# Altium PCB paste1.PcbDoc (part 1 of 3)
Units mil, origin at the board's own origin, x right, y up, seen from the top; angles counter-clockwise.
Board outline 6785.03 x 6005.03 mil, 2 copper layers (Top Layer, Bottom Layer); 232 components, 0 nets, 1158 pads, 462 vias.
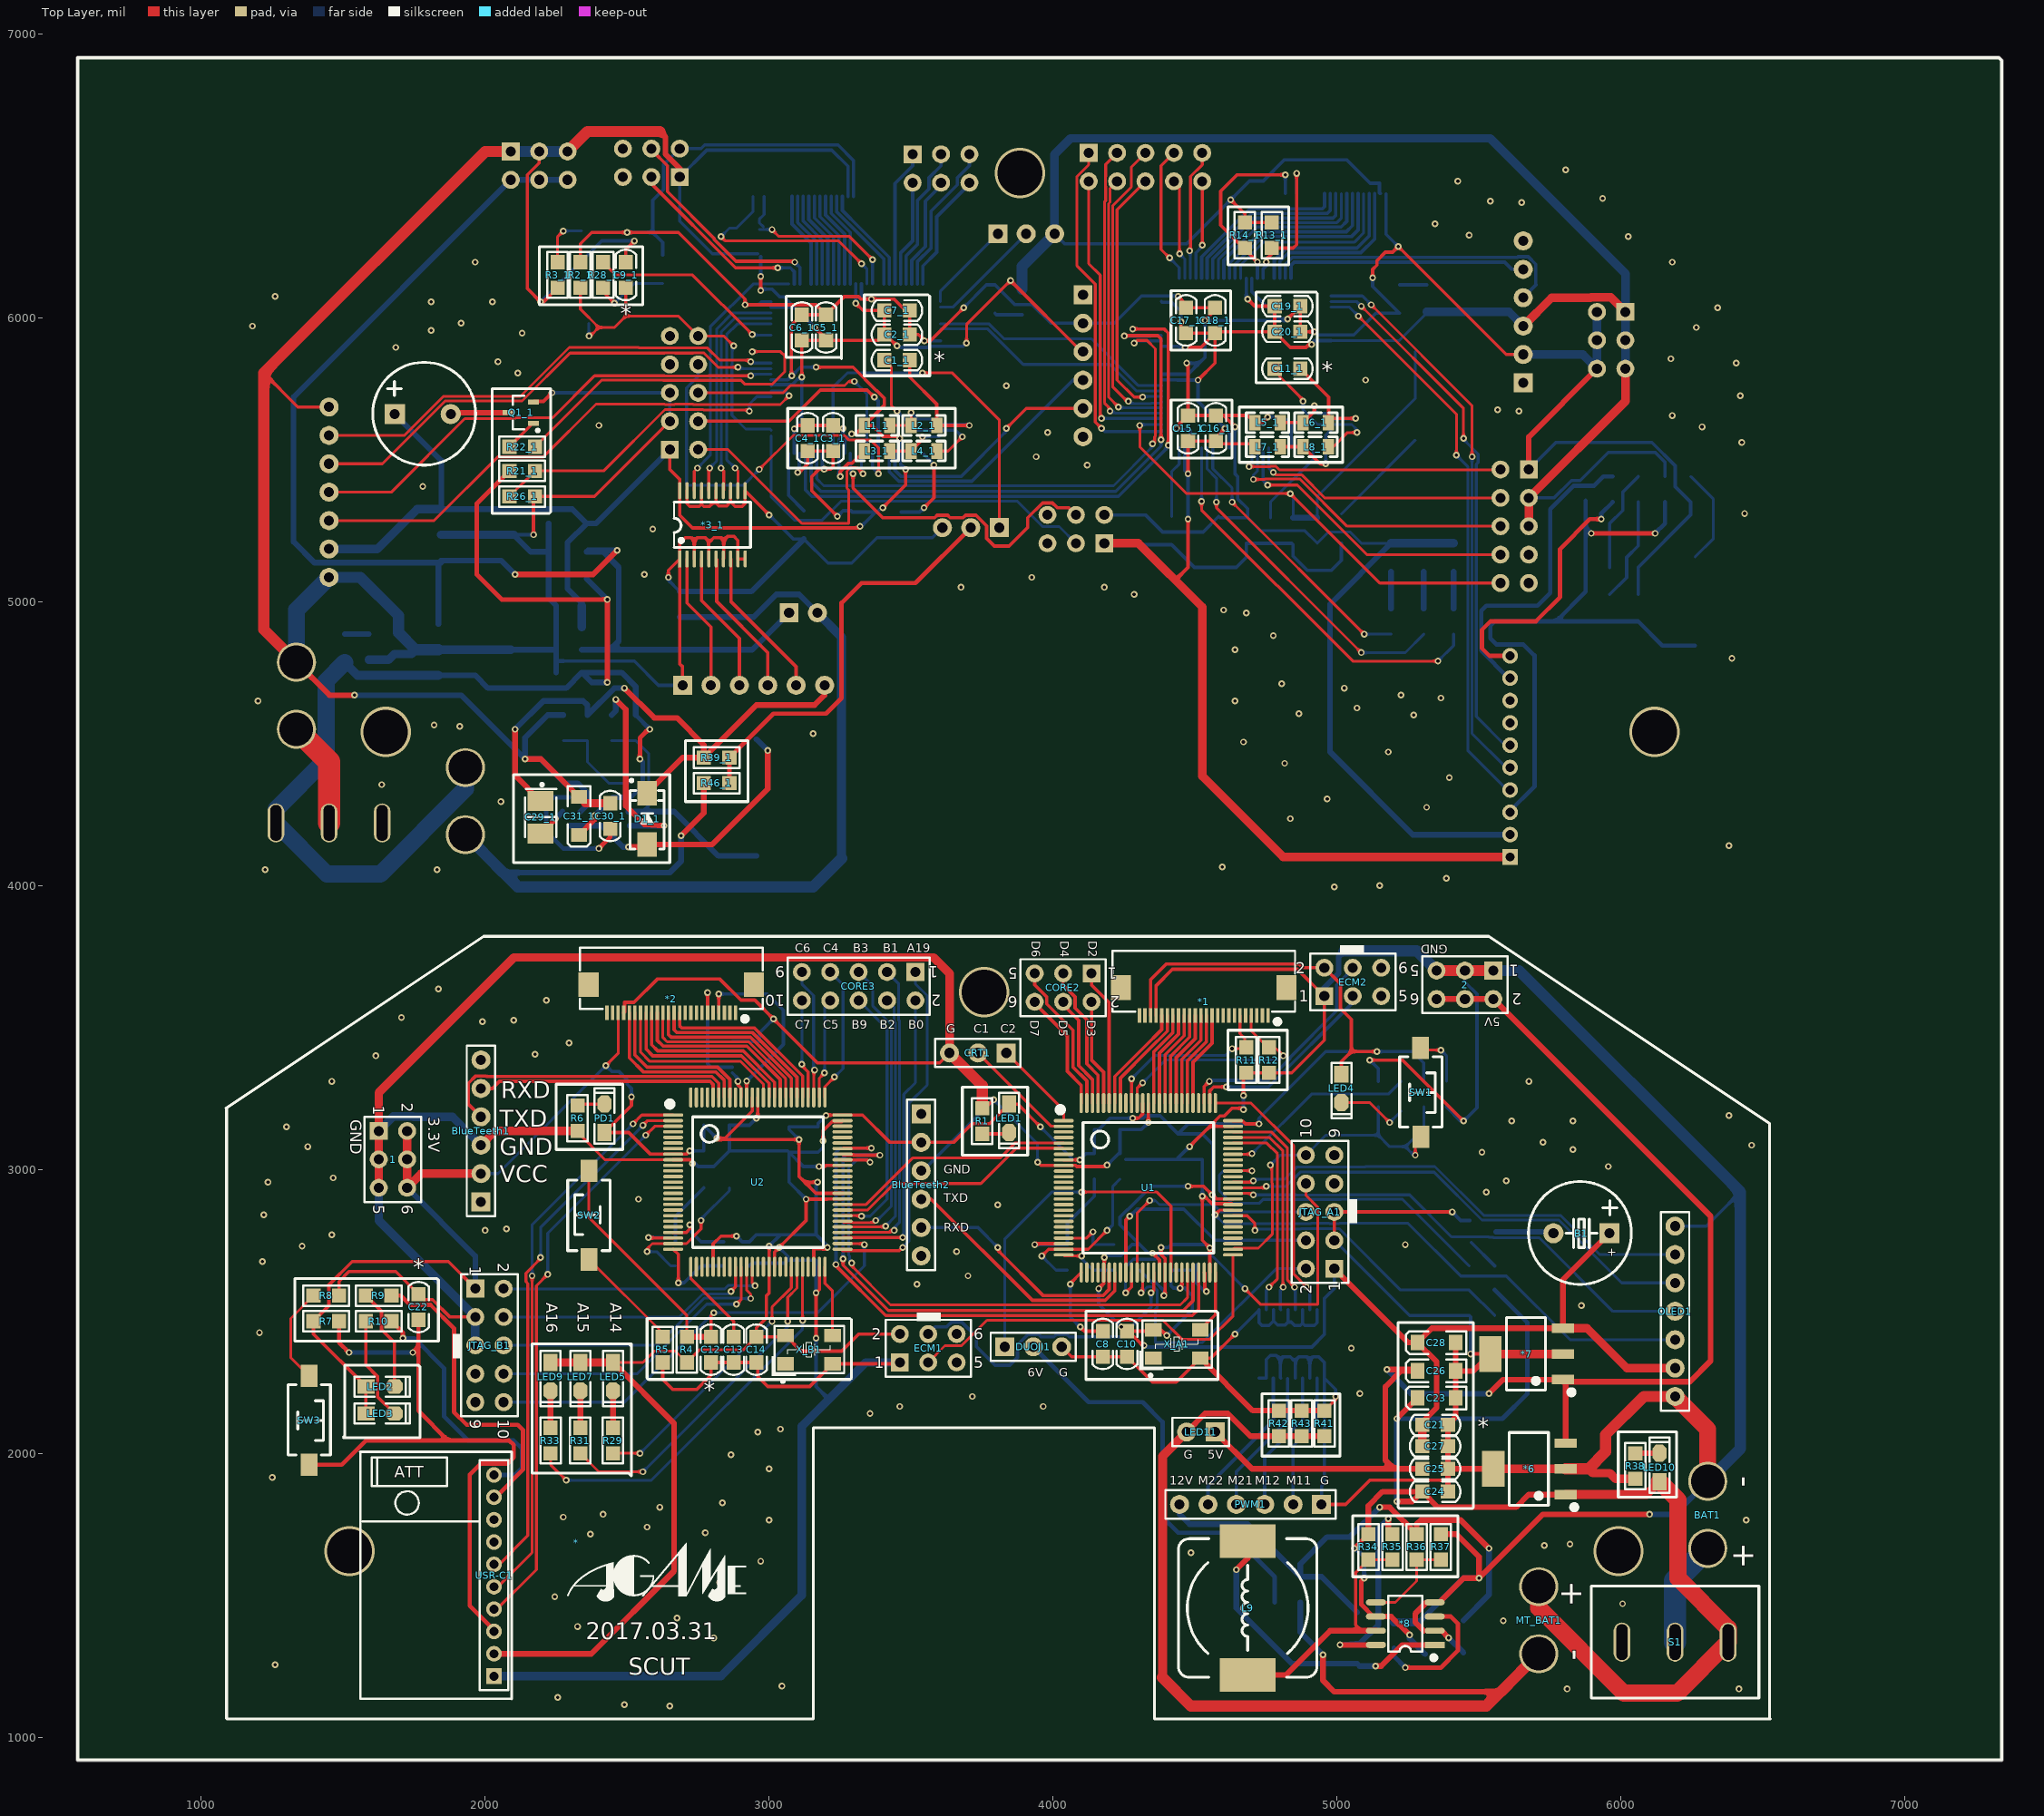
[diagram p0: Top Layer view]
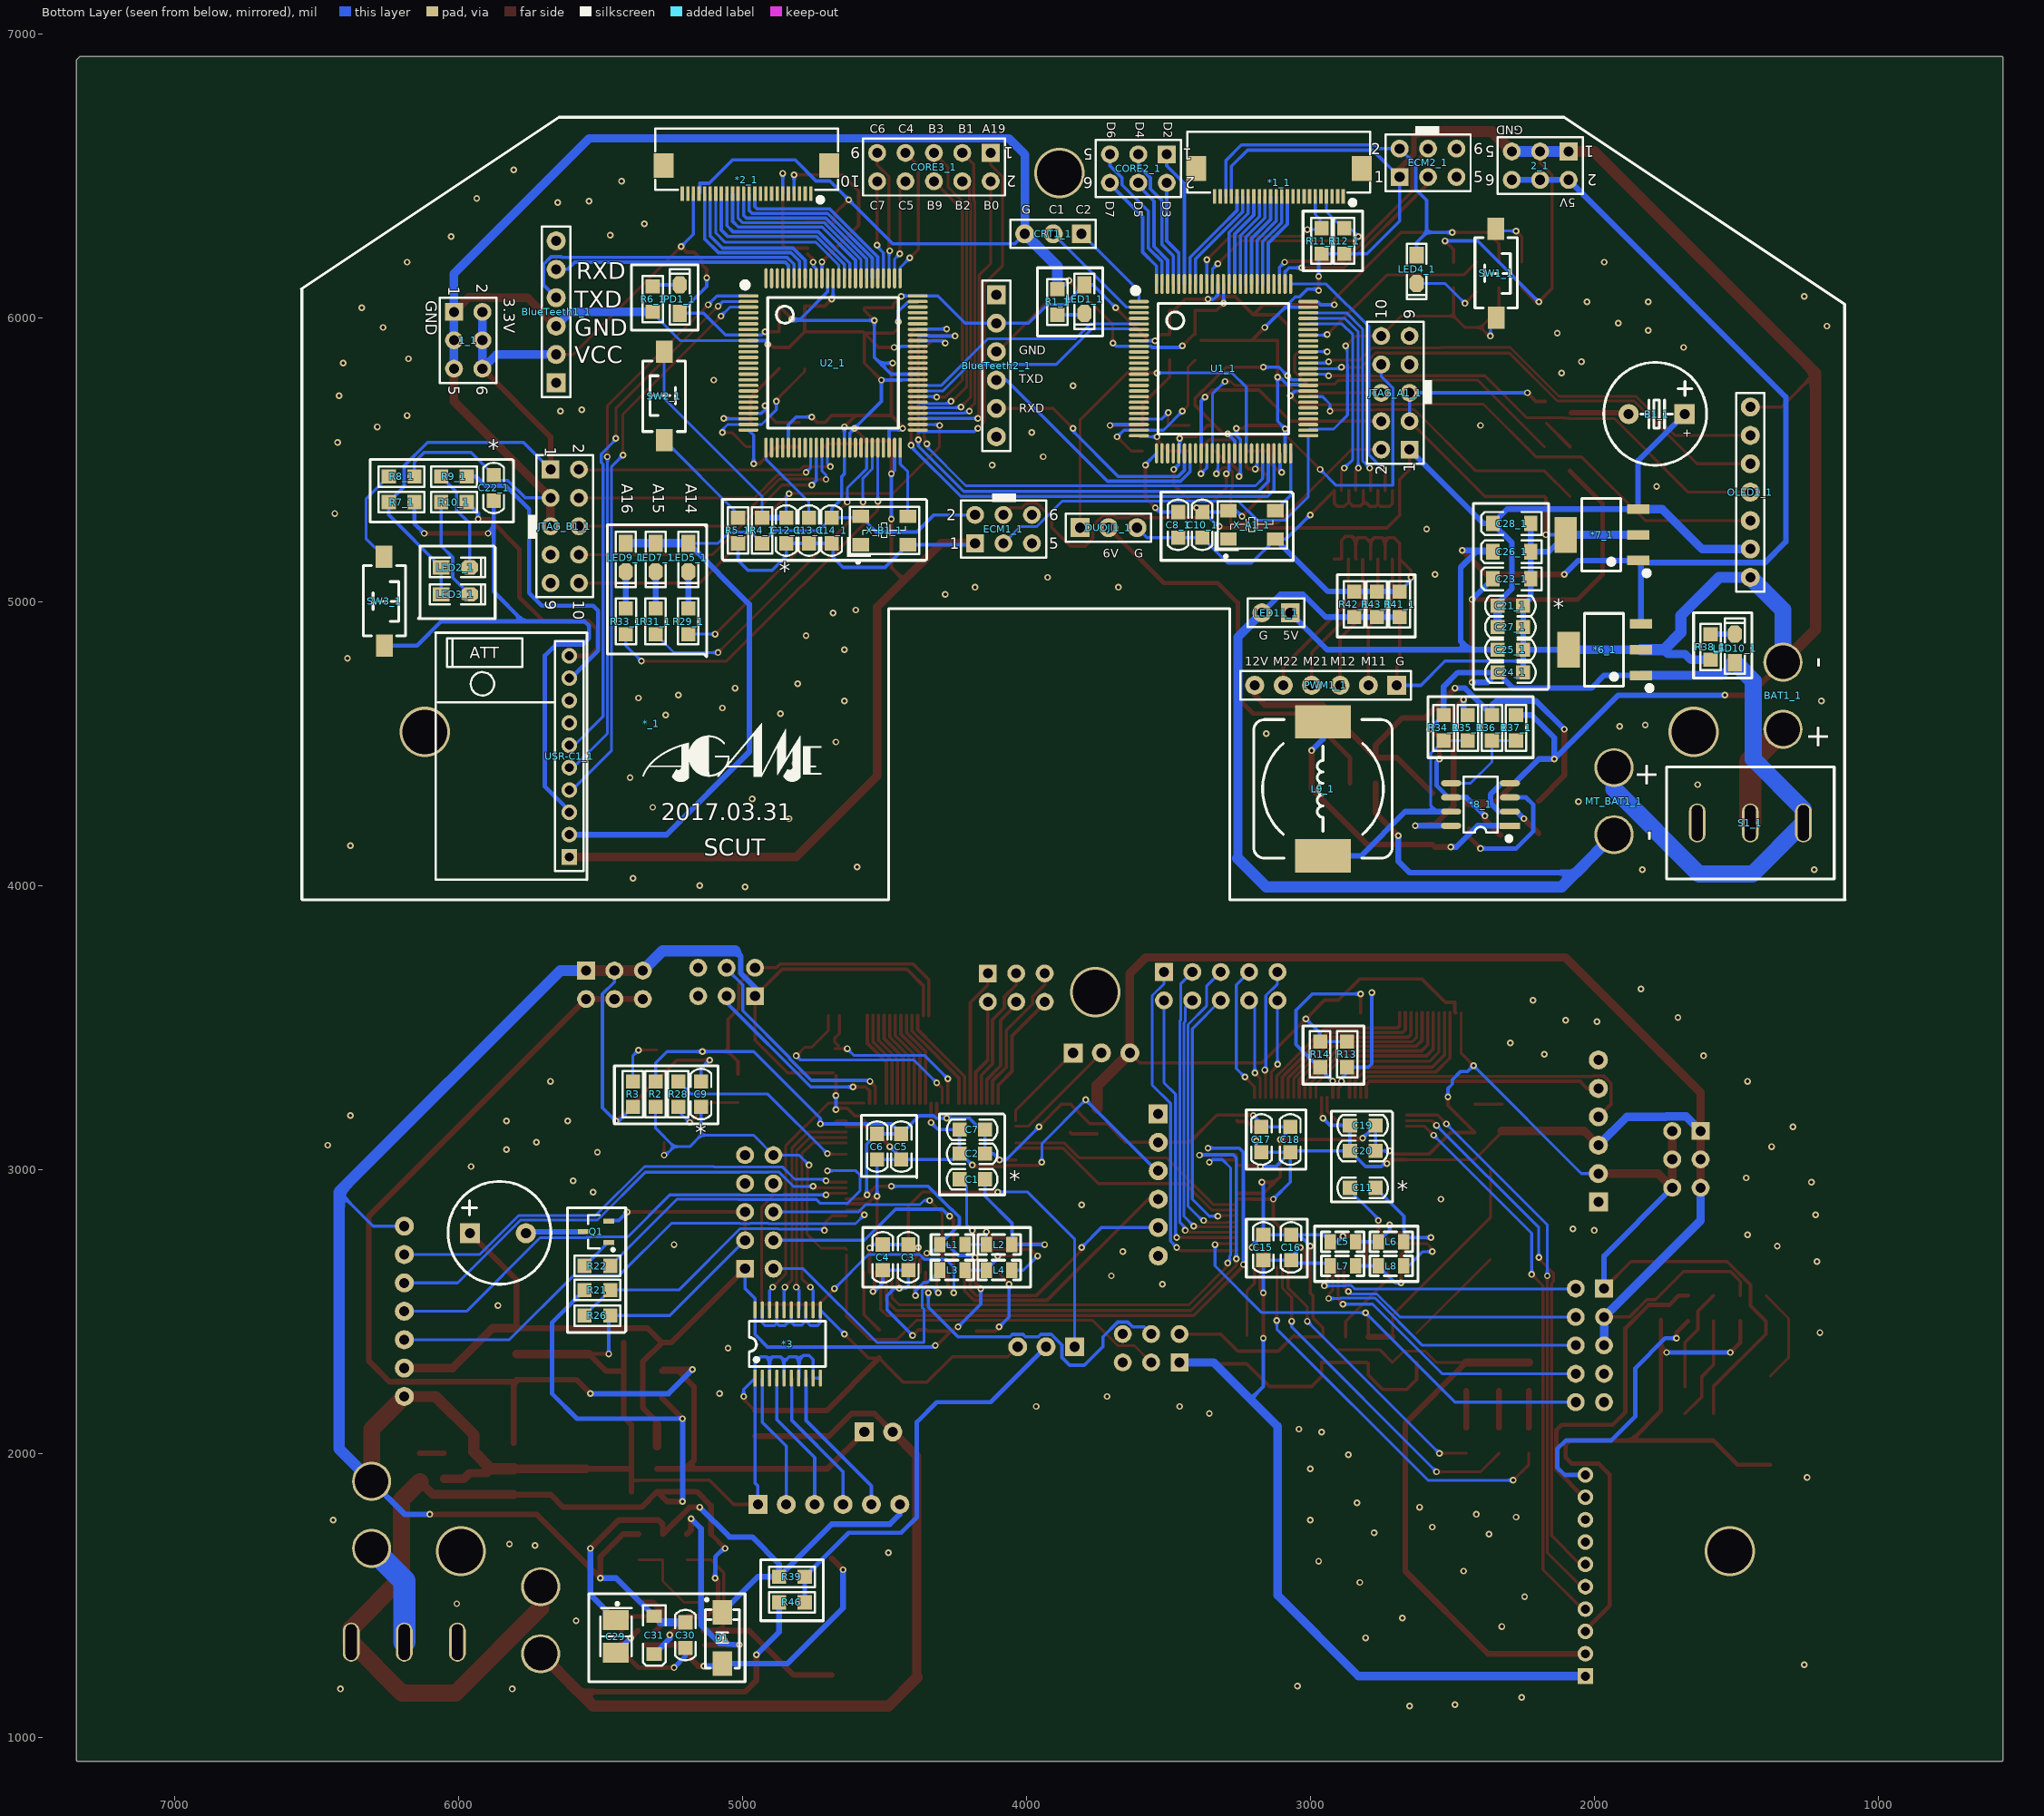
[diagram p1: Bottom Layer view, seen from below]

## Layer stack, top to bottom
Top Solder: solder mask 0.4, Solder Resist, Dk 3.5
Top Layer: signal copper 1.4
Dielectric 1: dielectric 12.6, FR-4, Dk 4.8
Bottom Layer: signal copper 1.4
Bottom Solder: solder mask 0.4, Solder Resist, Dk 3.5

## Board outline
565,914.99 cw(c565,920) 559.99,920 559.99,6910 cw(c565,6910) 560.65,6912.5 cw(c565,6915) 565,6920.02 7330,6920.02 cw(c7330,6915) 7333.56,6918.53 7333.55,6918.55 7343.55,6908.55 7343.53,6908.56 cw(c7340,6905) 7345.02,6905 7345.02,920 cw(c7340,920) 7340,914.99

## Design rules (kind name [scope] priority, off if disabled: settings)
Clearance [All] p1: gap=10
PolygonConnect [All] p1: connectstyle=Relief reliefconductorwidth=10 reliefentries=4 polygonreliefangle="90 Angle" airgapwidth=10
RoutingVias [All] p1: holewidth=28 width=50 viastyle="Through Hole" minholewidth=28 minwidth=50 maxholewidth=28 maxwidth=50
SolderMaskExpansion [All] p1: expansion=4
Width [All] p1: maxlimit=10 minlimit=10 preferedwidth=10
30 further rules are at their usual default settings.

## Components (designator, comment, footprint, x,y, rotation, side; value= is the part's Value field where it differs from the comment)
1 "Header3X2" HDR-3X2 1625,3135 r270 top
1_1 "Header3X2" HDR-3X2 6015,6020 r270 bottom (schematic designator 1)
2 "Header3X2" HDR-3X2 5550,3700 r180 top
2_1 "Header3X2" HDR-3X2 2090,6585 r0 bottom (schematic designator 2)
* "logo" Logo_0.15 2320,1685 r0 top
*1 "FPC24P" "FPC0.5 2H-S-W-24P" 4530,3640 r180 top
*1_1 "FPC24P" "FPC0.5 2H-S-W-24P" 3110,6525 r0 bottom (schematic designator *1)
*2 "FPC24P" "FPC0.5 2H-S-W-24P" 2655,3650 r180 top
*2_1 "FPC24P" "FPC0.5 2H-S-W-24P" 4985,6535 r0 bottom (schematic designator *2)
*3 "74LVC245" TSSOP-20 4955,2265 r90 bottom
*3_1 "74LVC245" TSSOP-20 2685,5150 r90 top (schematic designator *3)
*6 "LM2940" SOT223_N 5675,1945 r90 top
*6_1 "LM2940" SOT223_N 1965,4830 r90 bottom (schematic designator *6)
*7 "LM2937" SOT223_N 5665,2350 r90 top
*7_1 "LM2937" SOT223_N 1975,5235 r90 bottom (schematic designator *7)
*8 "MC34063" SOP8_N 5240,1400 r180 top
*8_1 "MC34063" SOP8_N 2400,4285 r0 bottom (schematic designator *8)
*_1 "logo" Logo_0.15 5320,4570 r180 bottom (schematic designator *)
B1 "DC5V" "BEEP 5x9x5.5" 5860,2775 r90 top
B1_1 "DC5V" "BEEP 5x9x5.5" 1780,5660 r90 bottom (schematic designator B1)
BAT1 "Header 2" POWER 6305,1665 r90 top
BAT1_1 "Header 2" POWER 1335,4550 r90 bottom (schematic designator BAT1)
BlueTeeth1 "HDR-1X6" HDR-1X6_M 1985,2885 r90 top
BlueTeeth1_1 "HDR-1X6" HDR-1X6_M 5655,5770 r90 bottom (schematic designator BlueTeeth1)
BlueTeeth2 "HDR-1X6" HDR-1X6_M 3535,3195 r270 top
BlueTeeth2_1 "HDR-1X6" HDR-1X6_M 4105,6080 r270 bottom (schematic designator BlueTeeth2)
C1 "105" "C 0805" 4190,2965 r180 bottom
C1_1 "105" "C 0805" 3450,5850 r0 top (schematic designator C1)
C2 "104" "C 0805" 4190,3055 r180 bottom
C2_1 "104" "C 0805" 3450,5940 r0 top (schematic designator C2)
C3 "104" "C 0805" 4415,2690 r270 bottom
C3_1 "104" "C 0805" 3225,5575 r270 top (schematic designator C3)
C4 "104" "C 0805" 4505,2690 r270 bottom
C4_1 "104" "C 0805" 3135,5575 r270 top (schematic designator C4)
C5 "104" "C 0805" 4440,3080 r90 bottom
C5_1 "104" "C 0805" 3200,5965 r90 top (schematic designator C5)
C6 "104" "C 0805" 4525,3080 r90 bottom
C6_1 "104" "C 0805" 3115,5965 r90 top (schematic designator C6)
C7 "104" "C 0805" 4190,3140 r180 bottom
C7_1 "104" "C 0805" 3450,6025 r0 top (schematic designator C7)
C8 "104" "C 0805" 4175,2385 r90 top
C8_1 "104" "C 0805" 3465,5270 r90 bottom (schematic designator C8)
C9 "105" "C 0805" 5145,3265 r270 bottom
C9_1 "105" "C 0805" 2495,6150 r270 top (schematic designator C9)
C10 "104" "C 0805" 4260,2385 r90 top
C10_1 "104" "C 0805" 3380,5270 r90 bottom (schematic designator C10)
C11 "105" "C 0805" 2815,2935 r180 bottom
C11_1 "105" "C 0805" 4825,5820 r0 top (schematic designator C11)
C12 "105" "C 0805" 2795,2365 r90 top
C12_1 "105" "C 0805" 4845,5250 r90 bottom (schematic designator C12)
C13 "104" "C 0805" 2875,2365 r90 top
C13_1 "104" "C 0805" 4765,5250 r90 bottom (schematic designator C13)
C14 "104" "C 0805" 2955,2365 r90 top
C14_1 "104" "C 0805" 4685,5250 r90 bottom (schematic designator C14)
C15 "104" "C 0805" 3165,2725 r90 bottom
C15_1 "104" "C 0805" 4475,5610 r90 top (schematic designator C15)
C16 "104" "C 0805" 3067,2725 r90 bottom
C16_1 "104" "C 0805" 4573,5610 r90 top (schematic designator C16)
C17 "104" "C 0805" 3172,3105 r90 bottom
C17_1 "104" "C 0805" 4468,5990 r90 top (schematic designator C17)
C18 "104" "C 0805" 3070,3105 r90 bottom
C18_1 "104" "C 0805" 4570,5990 r90 top (schematic designator C18)
C19 "104" "C 0805" 2815,3155 r180 bottom
C19_1 "104" "C 0805" 4825,6040 r0 top (schematic designator C19)
C20 "104" "C 0805" 2815,3065 r180 bottom
C20_1 "104" "C 0805" 4825,5950 r0 top (schematic designator C20)
C21 "105" "C 0805" 5345,2100 r180 top
C21_1 "105" "C 0805" 2295,4985 r0 bottom (schematic designator C21)
C22 "105" "C 0805" 1765,2515 r270 top
C22_1 "105" "C 0805" 5875,5400 r270 bottom (schematic designator C22)
C23 "Cap2" "CD A(3216)" 5350,2195 r0 top
C23_1 "Cap2" "CD A(3216)" 2290,5080 r180 bottom (schematic designator C23)
C24 "104" "C 0805" 5345,1865 r180 top
C24_1 "104" "C 0805" 2295,4750 r0 bottom (schematic designator C24)
C25 "104" "C 0805" 5345,1945 r180 top
C25_1 "104" "C 0805" 2295,4830 r0 bottom (schematic designator C25)
C26 "Cap2" "CD A(3216)" 5350,2290 r0 top
C26_1 "Cap2" "CD A(3216)" 2290,5175 r180 bottom (schematic designator C26)
C27 "104" "C 0805" 5345,2025 r180 top
C27_1 "104" "C 0805" 2295,4910 r0 bottom (schematic designator C27)
C28 "Cap2" "CD A(3216)" 5350,2390 r0 top
C28_1 "Cap2" "CD A(3216)" 2290,5275 r180 bottom (schematic designator C28)
C29 "Cap Pol1" 钽电容B型3528 5440,1350 r270 bottom
C29_1 "Cap Pol1" 钽电容B型3528 2200,4235 r270 top (schematic designator C29)
C30 "Cap" "C 0805" 5200,1359.45 r90 bottom
C30_1 "Cap" "C 0805" 2440,4244.45 r90 top (schematic designator C30)
C31 "Cap Pol1" "CD A(3216)" 5310,1359.45 r90 bottom
C31_1 "Cap Pol1" "CD A(3216)" 2330,4244.45 r90 top (schematic designator C31)
CORE2 "Header3X2" HDR-3X2 4135,3690 r180 top
CORE2_1 "Header3X2" HDR-3X2 3505,6575 r0 bottom (schematic designator CORE2)
CORE3 "Header 5X2" HDR-5X2 3515,3695 r180 top
CORE3_1 "Header 5X2" HDR-5X2 4125,6580 r0 bottom (schematic designator CORE3)
CRT1 "HDR-1X3" HDR-1X3 3835,3410 r180 top
CRT1_1 "HDR-1X3" HDR-1X3 3805,6295 r0 bottom (schematic designator CRT1)
D1 "IN5819" SMA 5070,1349.45 r90 bottom
D1_1 "IN5819" SMA 2570,4234.45 r90 top (schematic designator D1)
DUOJI1 "HDR-1X3" HDR-1X3 3830,2375 r0 top
DUOJI1_1 "HDR-1X3" HDR-1X3 3810,5260 r180 bottom (schematic designator DUOJI1)
ECM1 "Header3X2" HDR-3X2 3460,2320 r0 top
ECM1_1 "Header3X2" HDR-3X2 4180,5205 r180 bottom (schematic designator ECM1)
ECM2 "Header3X2" HDR-3X2 4955,3610 r0 top
ECM2_1 "Header3X2" HDR-3X2 2685,6495 r180 bottom (schematic designator ECM2)
JTAG_A1 "Header 5X2" HDR-5X2 4990,2650 r90 top
JTAG_A1_1 "Header 5X2" HDR-5X2 2650,5535 r90 bottom (schematic designator JTAG_A1)
JTAG_B1 "Header 5X2" HDR-5X2 1965,2580 r270 top
JTAG_B1_1 "Header 5X2" HDR-5X2 5675,5465 r270 bottom (schematic designator JTAG_B1)
L1 "4.8nH" "L 0805" 4260,2735 r180 bottom
L1_1 "4.8nH" "L 0805" 3380,5620 r0 top (schematic designator L1)
L2 "4.8nH" "L 0805" 4095,2735 r180 bottom
L2_1 "4.8nH" "L 0805" 3545,5620 r0 top (schematic designator L2)
L3 "4.8nH" "L 0805" 4260,2645 r180 bottom
L3_1 "4.8nH" "L 0805" 3380,5530 r0 top (schematic designator L3)
L4 "4.8nH" "L 0805" 4095,2645 r180 bottom
L4_1 "4.8nH" "L 0805" 3545,5530 r0 top (schematic designator L4)
L5 "4.8nH" "L 0805" 2885,2745 r180 bottom
L5_1 "4.8nH" "L 0805" 4755,5630 r0 top (schematic designator L5)
L6 "4.8nH" "L 0805" 2715,2745 r180 bottom
L6_1 "4.8nH" "L 0805" 4925,5630 r0 top (schematic designator L6)
L7 "4.8nH" "L 0805" 2885,2660 r180 bottom
L7_1 "4.8nH" "L 0805" 4755,5545 r0 top (schematic designator L7)
L8 "4.8nH" "L 0805" 2715,2660 r180 bottom
L8_1 "4.8nH" "L 0805" 4925,5545 r0 top (schematic designator L8)
L9 "Inductor" CDRH125 4685,1455 r90 top
L9_1 "Inductor" CDRH125 2955,4340 r90 bottom (schematic designator L9)
LED1 "红色" "LED 0805B" 3845,3180 r270 top
LED1_1 "红色" "LED 0805B" 3795,6065 r270 bottom (schematic designator LED1)
LED2 "红色" "LED 0805B" 1630,2235 r0 top
LED2_1 "红色" "LED 0805B" 6010,5120 r180 bottom (schematic designator LED2)
LED3 "红色" "LED 0805B" 1630,2140 r0 top
LED3_1 "红色" "LED 0805B" 6010,5025 r180 bottom (schematic designator LED3)
LED4 "红色" "LED 0805B" 5015,3285 r270 top
LED4_1 "红色" "LED 0805B" 2625,6170 r270 bottom (schematic designator LED4)
LED5 "红色" "LED 0805B" 2450,2270 r270 top
LED5_1 "红色" "LED 0805B" 5190,5155 r270 bottom (schematic designator LED5)
LED7 "红色" "LED 0805B" 2335,2270 r270 top
LED7_1 "红色" "LED 0805B" 5305,5155 r270 bottom (schematic designator LED7)
LED9 "红色" "LED 0805B" 2230,2270 r270 top
LED9_1 "红色" "LED 0805B" 5410,5155 r270 bottom (schematic designator LED9)
LED10 "红色" "LED 0805B" 6135,1950 r90 top
LED10_1 "红色" "LED 0805B" 1505,4835 r90 bottom (schematic designator LED10)
LED11 "HDR-1X2" HDR-1X2 4570,2075 r180 top
LED11_1 "HDR-1X2" HDR-1X2 3070,4960 r0 bottom (schematic designator LED11)
MT_BAT1 "Header 2" POWER 5710,1530 r270 top
MT_BAT1_1 "Header 2" POWER 1930,4415 r270 bottom (schematic designator MT_BAT1)
OLED1 "OLED 1.3-12864_7pin" HDR-1X7_M 6190,2200 r90 top